# Allegro board 038RT-9068CJK8E-A100_0921.brd (continued)
## Routing (per net, layer and track width the routed paths; a pad name or vN(x,y) marks a point on that pad's centre or on a via; arc(x,y) is an arc through that point) (continued)
S3_DCH_P6_HSI+: length 187.1
  L13_SIGNAL w0.14: v1(473.9,258.45) 474.04,258.31 475.53,258.31 476.38,257.46 476.38,253.37 478.64,251.11 478.64,244.08 476.48,241.92 426.83,241.92 422.15,237.24 386.99,237.24 382.51,232.76 364.19,232.76 360.32,228.89 360.32,216.94 358.69,215.31 344.56,215.31 341.15,211.9 341.15,207.46 341.34,207.27 341.56,207.27
  L13_SIGNAL w0.15: 341.56,207.27 341.7,207.41 v1(341.7,208.05)
  BOTTOM w0.115: v1(341.7,208.05) MUX6.5
  BOTTOM w0.14: UNK3K214.24 469.72,256.06 470.65,256.06 472.9,258.31 473.77,258.31 v1(473.9,258.45)
S3_DCH_P6_HSI-: length 187.1
  L13_SIGNAL w0.14: 341.56,206.88 341.18,206.88 340.76,207.3 340.76,212.06 344.4,215.7 358.53,215.7 359.93,217.1 359.93,229.05 364.03,233.15 382.35,233.15 386.83,237.63 421.99,237.63 426.67,242.31 476.32,242.31 478.25,244.24 478.25,250.95 475.99,253.21 475.99,257.29 475.37,257.92 474.04,257.92 v1(473.9,257.79)
  L13_SIGNAL w0.15: v1(341.7,206.1) 341.7,206.74 341.56,206.88
  BOTTOM w0.115: v1(341.7,206.1) MUX6.8
  BOTTOM w0.14: v1(473.9,257.79) 473.77,257.92 473.06,257.92 470.81,255.67 469.72,255.67 UNK3K214.25
S3_DCH_P6_HSO+: length 252.5
  L40_SIGNAL w0.14: 560.44,273.64 561.21,273.64 561.43,273.42 561.43,272.51 561.27,272.35 561.19,272.35 561.02,272.18 561.02,271.95 561.19,271.79 561.27,271.79 561.43,271.62 561.43,271.39 561.27,271.23 561.19,271.23 561.02,271.06 561.02,270.83 561.19,270.67 561.27,270.67 561.43,270.5 561.43,270.27 561.27,270.11 561.19,270.11 561.02,269.94 561.02,269.71 561.19,269.55 561.27,269.55 561.43,269.38 561.43,265.43 559.24,263.24 546.61,263.24 531.78,248.4 482.52,248.4 471.38,237.26 348.12,237.26 343.81,241.56 341.84,241.56
  L40_SIGNAL w0.15: 341.84,241.56 341.7,241.7 v1(341.7,242.34) ; v1(560.31,273.5) 560.44,273.64
  BOTTOM w0.115: v1(341.7,242.34) MUX7.5
  BOTTOM w0.14: UNK3K217.25 555.62,270.37 556.89,270.37 557.85,271.34 557.85,272.66 558.83,273.64 560.17,273.64 v1(560.31,273.5)
S3_DCH_P6_HSO-: length 252.5
  L40_SIGNAL w0.14: 560.44,274.03 561.37,274.03 561.82,273.58 561.82,265.26 559.4,262.85 546.77,262.85 531.94,248.01 482.69,248.01 471.54,236.87 347.96,236.87 343.65,241.17 341.84,241.17
  L40_SIGNAL w0.15: v1(560.31,274.16) 560.44,274.03 ; 341.84,241.17 341.7,241.03 v1(341.7,240.39)
  BOTTOM w0.115: v1(341.7,240.39) MUX7.8
  BOTTOM w0.14: UNK3K217.24 555.62,270.76 556.73,270.76 557.46,271.5 557.46,272.82 558.67,274.03 560.17,274.03 v1(560.31,274.16)
S3_DCH_P6_ISOLATEB: length 238.2
  L09_SIGNAL w0.105: UNK3K220.4 426.57,410.22 408.89,392.55 408.89,334.72 389.14,314.96 363.74,314.96 347.23,298.45 347.23,277.3 344.69,274.76 344.69,233.9 v1(341.7,230.91)
  BOTTOM w0.115: v1(341.7,230.91) MUX13.5
S3_DCH_P6_LANWAKEB: length 301
  L09_SIGNAL w0.105: v1(341.7,265.2) 340.24,266.66 340.24,279.4 342.15,281.31 342.15,295.27 363.1,316.23 388.5,316.23 407.62,335.35 407.62,413.86 408.93,415.16 408.93,426.32 410.35,427.74 420.25,427.74 422.79,430.28 437.42,430.28 442.13,425.57 442.13,417.07 445.44,413.77 484.38,413.77 UNK3K212.4
  BOTTOM w0.115: v1(341.7,265.2) MUX12.5
S3_DCH_P6_PCIE_RESETB: length 254.1
  L09_SIGNAL w0.105: v1(341.7,219.48) 342.38,220.16 345.77,220.16 346.47,220.85 346.47,274.63 348.5,276.66 348.5,297.92 364.26,313.69 389.66,313.69 410.16,334.19 410.16,387.92 432.77,410.53 UNK3K221.4
  BOTTOM w0.115: v1(341.7,219.48) MUX14.5
S3_DCH_P6_REFCLK_100M+: length 181.9
  L13_SIGNAL w0.1: v1(329.94,208.05) 329.94,207.36 330.04,207.26 331.42,207.26 332.51,208.34 332.51,209.31 332.39,209.43 332.19,209.43 332.07,209.55 332.07,209.71 332.19,209.83 332.39,209.83 332.51,209.95 332.51,210.11 332.39,210.23 332.19,210.23 332.07,210.35 332.07,210.51 332.19,210.63 332.39,210.63 332.51,210.75 332.51,219.32 337.54,224.36 340.94,224.36 342.29,225.71 346.88,225.71 361.2,240.04 416.44,240.04 420.65,244.26 474.16,244.26 475.79,245.89 475.79,249.59 475.44,249.94 472.78,249.94 v1(472.63,249.79)
  BOTTOM w0.105: UNK3K214.34 469.69,251.13 470.84,251.13 472.09,249.88 472.53,249.88 v1(472.63,249.79)
  BOTTOM w0.115: v1(329.94,208.05) MUX5.5
S3_DCH_P6_REFCLK_100M-: length 181.9
  L13_SIGNAL w0.1: v1(329.94,206.1) 329.94,206.79 330.04,206.89 331.57,206.89 332.87,208.19 332.87,219.17 337.69,223.99 341.09,223.99 342.44,225.35 347.03,225.35 361.36,239.68 416.59,239.68 420.8,243.9 474.31,243.9 476.15,245.74 476.15,249.74 475.59,250.3 472.78,250.3 v1(472.63,250.45)
  BOTTOM w0.105: v1(472.63,250.45) 472.53,250.35 472.28,250.35 471.03,251.6 469.69,251.6 UNK3K214.33
  BOTTOM w0.115: v1(329.94,206.1) MUX5.8
S3_DCH_P7_CLKREQB: length 315.6
  L09_SIGNAL w0.102: 466.13,431.68 465.63,432.18 456.72,432.18 456.4,432.5 454.7,432.5
  L09_SIGNAL w0.105: 454.7,432.5 431.18,432.5 430.23,431.55 418.68,431.55 417.41,430.28 408.82,430.28 405.01,426.47 405.01,415.67 406.35,414.33 406.35,335.99 387.87,317.5 362.47,317.5 331.99,287.02 331.99,271.14 329.45,268.61 329.45,264.07 v1(330.27,263.25) ; 466.13,431.68 467.59,430.22 479.63,430.22 485.54,424.31 495.34,424.31 496.68,422.96 496.68,419.27 UNK3K211.5
  BOTTOM w0.115: v1(330.27,263.25) MUX11.8
S3_DCH_P7_HSI+: length 205.5
  L13_SIGNAL w0.14: 341.56,195.84 341.36,195.84 341.22,195.98 341.22,197.11 341.82,197.71 359.79,197.71 364.15,202.07 364.15,225.16 366.61,227.62 381.5,227.62 388.82,234.93 422.81,234.93 427.33,239.46 479.11,239.46 481.22,241.57 481.22,255.68 476.59,260.31 472.77,260.31 v1(472.63,260.45)
  L13_SIGNAL w0.15: 341.56,195.84 341.7,195.98 v1(341.7,196.62)
  BOTTOM w0.115: v1(341.7,196.62) MUX9.5
  BOTTOM w0.14: UNK3K214.22 469.72,257.06 470.51,257.06 470.99,257.55 470.99,259.39 471.91,260.31 472.5,260.31 v1(472.63,260.45)
S3_DCH_P7_HSI-: length 205.5
  L13_SIGNAL w0.14: 341.56,195.45 341.2,195.45 340.83,195.82 340.83,197.27 341.66,198.1 359.63,198.1 363.76,202.23 363.76,225.32 366.44,228.01 381.34,228.01 388.65,235.32 422.64,235.32 427.17,239.85 478.95,239.85 480.83,241.73 480.83,255.52 476.43,259.92 472.77,259.92 v1(472.63,259.79)
  L13_SIGNAL w0.15: v1(341.7,194.67) 341.7,195.31 341.56,195.45
  BOTTOM w0.115: v1(341.7,194.67) MUX9.8
  BOTTOM w0.14: v1(472.63,259.79) 472.5,259.92 472.08,259.92 471.38,259.23 471.38,257.39 470.67,256.67 469.72,256.67 UNK3K214.23
S3_DCH_P7_HSO+: length 252.9
  L40_SIGNAL w0.14: 341.84,252.99 362.64,252.99 375.77,239.86 431.21,239.86 434.54,243.2 472.65,243.2 483.77,254.31 523.25,254.31 547,278.07 560.24,278.07 560.84,277.47 560.84,276.36 560.12,275.64 558.67,275.64
  L40_SIGNAL w0.15: 558.67,275.64 v1(558.53,275.5) ; 341.84,252.99 341.7,253.13 v1(341.7,253.77)
  BOTTOM w0.115: v1(341.7,253.77) MUX10.5
  BOTTOM w0.14: UNK3K217.23 555.62,271.37 556.41,271.37 556.86,271.82 556.86,275 557.5,275.64 558.39,275.64 v1(558.53,275.5)
S3_DCH_P7_HSO-: length 252.9
  L40_SIGNAL w0.14: 558.67,276.03 559.96,276.03 560.45,276.52 560.45,277.31 560.08,277.68 547.16,277.68 523.41,253.92 483.93,253.92 472.81,242.81 434.71,242.81 431.37,239.47 375.61,239.47 362.48,252.6 345.97,252.6 345.8,252.44 345.8,252.25 345.64,252.08 345.41,252.08 345.24,252.25 345.24,252.44 345.08,252.6 344.85,252.6 344.68,252.44 344.68,252.25 344.52,252.08 344.29,252.08 344.12,252.25 344.12,252.44 343.96,252.6 341.84,252.6
  L40_SIGNAL w0.15: 341.84,252.6 341.7,252.46 v1(341.7,251.82) ; 558.67,276.03 v1(558.53,276.16)
  BOTTOM w0.115: v1(341.7,251.82) MUX10.8
  BOTTOM w0.14: v1(558.53,276.16) 558.39,276.03 557.34,276.03 556.47,275.16 556.47,271.98 556.25,271.76 555.62,271.76 UNK3K217.22
S3_DCH_P7_ISOLATEB: length 242.3
  L09_SIGNAL w0.105: v1(341.7,228.96) 342.61,229.87 344.05,229.87 344.69,230.5 344.69,232.41 345.71,233.43 345.71,262.78 345.73,262.8 345.73,263.15 345.71,263.17 345.71,265.98 345.73,266 345.73,266.35 345.71,266.37 345.71,269.91 345.91,270.12 345.91,275.08 347.86,277.04 347.86,298.19 364,314.32 389.4,314.32 409.53,334.45 409.53,391.25 429.77,411.49 UNK3K220.5
  BOTTOM w0.115: v1(341.7,228.96) MUX13.8
S3_DCH_P7_LANWAKEB: length 306.4
  L09_SIGNAL w0.105: UNK3K212.5 486.94,413.13 445.18,413.13 441.49,416.82 441.49,425.3 437.16,429.64 424.06,429.64 421.52,427.1 411.41,427.1 409.59,425.29 409.59,414.71 408.26,413.38 408.26,335.09 388.77,315.6 363.37,315.6 342.78,295.01 342.78,281.04 340.88,279.14 340.88,267.97 343.42,265.43 343.42,264.26 343.31,264.16 342.61,264.16 v1(341.7,263.25)
  BOTTOM w0.115: v1(341.7,263.25) MUX12.8
S3_DCH_P7_PCIE_RESETB: length 257
  L09_SIGNAL w0.105: UNK3K221.5 435.97,411.14 410.8,385.96 410.8,333.93 389.93,313.06 364.53,313.06 349.13,297.66 349.13,276.51 348.97,276.34 348.97,262.19 347.56,260.78 347.56,220.67 345.96,219.07 343.24,219.07 v1(341.7,217.53)
  BOTTOM w0.115: v1(341.7,217.53) MUX14.8
S3_DCH_P7_REFCLK_100M+: length 166.4
  L11_SIGNAL w0.1: v1(473.9,251.79) 474.05,251.94 474.86,251.94 475.5,251.3 475.5,246.02 473.63,244.15 470.04,244.15 469.93,244.27 469.93,244.47 469.81,244.59 469.64,244.59 469.53,244.47 469.53,244.27 469.41,244.15 469.24,244.15 469.13,244.27 469.13,244.47 469.01,244.59 468.84,244.59 468.73,244.47 468.73,244.27 468.61,244.15 441.41,244.15 440.44,245.13 414.69,245.13 412.58,247.24 396.44,247.24 393.81,244.6 349.54,244.6 343.11,251.03 334.65,251.03 332.71,252.98 330.37,252.98 330.27,253.08 v1(330.27,253.77)
  BOTTOM w0.105: v1(473.9,251.79) 473.8,251.88 472.17,251.88 471.92,252.13 469.69,252.13 UNK3K214.32
  BOTTOM w0.115: v1(330.27,253.77) MUX8.5
S3_DCH_P7_REFCLK_100M-: length 166.4
  L11_SIGNAL w0.1: v1(330.27,251.82) 330.27,252.51 330.37,252.61 332.56,252.61 334.5,250.66 342.96,250.66 349.39,244.24 393.96,244.24 396.6,246.87 412.43,246.87 414.54,244.77 440.29,244.77 441.26,243.79 473.78,243.79 475.86,245.87 475.86,251.45 475.01,252.3 474.05,252.3 v1(473.9,252.45)
  BOTTOM w0.105: UNK3K214.31 469.69,252.6 472.12,252.6 472.37,252.35 473.8,252.35 v1(473.9,252.45)
  BOTTOM w0.115: v1(330.27,251.82) MUX8.8
S3_DISB: length 56.2
  L07_SIGNAL w0.105: v1(398.1,262.22) 395.96,260.08 361.05,260.08 356.8,264.34 347.14,264.34 v1(345.31,266.17)
S3_DPS_AVDD09: length 0.8
  TOP w0.203: UNK3ST2.1 v2(503.83,438.48)
  vias: v2(502.28,454.28) v2(502.28,453.01) v2(502.28,451.74) v2(502.28,449.2) v2(502.28,447.93) v2(502.28,446.66) v2(503.5,442.95) v2(503.5,440.44) v2(503.55,454.28) v2(503.55,453.01) v2(503.55,451.74) v2(503.55,449.2) v2(503.55,447.93) v2(503.55,446.66) v2(505.84,444.37) v2(505.84,443.1) v2(505.84,441.83) v2(505.84,439.8) v2(505.84,438.53) v2(505.84,437.26)
S3_DPS_AVDD33:
  vias: v1(385.77,265.82) v1(385.77,265.19) v1(385.77,263.66) v1(386.4,265.82) v1(386.4,265.19) v1(386.4,263.66) v2(345.83,449.5) v2(345.83,443.15) v2(345.83,441.88) v2(345.83,434.26) v2(345.83,431.09) v2(345.83,424.74) v2(345.83,423.47) v2(347.1,449.5) v2(347.1,443.15) v2(347.1,441.88) v2(347.1,431.09) v2(347.1,424.74) v2(347.1,423.47) v2(348.37,449.5) v2(348.37,443.15) v2(348.37,441.88) v2(348.37,431.09) v2(348.37,424.74) v2(348.37,423.47) v2(351.55,449.5) v2(351.55,443.15) v2(351.55,441.88) v2(351.55,434.26) v2(351.55,431.09) v2(351.55,424.74) v2(351.55,423.47) v2(352.82,449.5) v2(352.82,443.15) v2(352.82,441.88) v2(352.82,431.09) v2(352.82,424.74) v2(352.82,423.47) v2(354.09,449.5) v2(354.09,443.15) v2(354.09,441.88) v2(354.09,431.09) v2(354.09,424.74) v2(354.09,423.47)
S3_DPS_DVDD09:
  vias: v2(512.44,453.31) v2(512.44,450.14) v2(512.44,443.79) v2(512.44,442.52) v2(512.44,434.26) v2(512.44,431.09) v2(512.44,424.74) v2(512.44,423.47) v2(513.71,450.14) v2(513.71,443.79) v2(513.71,442.52) v2(513.71,431.09) v2(513.71,424.74) v2(513.71,423.47) v2(514.98,450.14) v2(514.98,443.79) v2(514.98,442.52) v2(514.98,431.09) v2(514.98,424.74) v2(514.98,423.47) v2(518.16,453.31) v2(518.16,450.14) v2(518.16,443.79) v2(518.16,442.52) v2(518.16,434.26) v2(518.16,431.09) v2(518.16,424.74) v2(518.16,423.47) v2(519.43,450.14) v2(519.43,443.79) v2(519.43,442.52) v2(519.43,431.09) v2(519.43,424.74) v2(519.43,423.47) v2(520.7,450.14) v2(520.7,443.79) v2(520.7,442.52) v2(520.7,431.09) v2(520.7,424.74) v2(520.7,423.47)
S3_DPS_DVDD33:
  vias: v1(412.04,242.02) v1(412.04,241.38) v2(362.44,431.09) v2(362.44,421.18) v2(363.71,431.09) v2(363.71,421.18) v2(364.98,434.26) v2(364.98,431.09) v2(364.98,421.18)
S3_DPS_GPIO_P015VDDIO:
  vias: v2(367.42,449.5) v2(367.42,443.15) v2(367.42,441.88) v2(368.69,449.5) v2(368.69,443.15) v2(368.69,441.88) v2(369.96,449.5) v2(369.96,443.15) v2(369.96,441.88) v2(370.06,434.26) v2(373.77,449.5) v2(373.77,443.15) v2(373.77,441.88) v2(375.04,449.5) v2(375.04,443.15) v2(375.04,441.88) v2(376.31,449.5) v2(376.31,443.15) v2(376.31,441.88) v2(376.41,434.26)
S3_DPS_LDOIN:
  vias: v1(410.14,242.02) v1(410.14,241.38) v2(356.63,449.5) v2(356.63,443.15) v2(356.63,441.88) v2(357.9,449.5) v2(357.9,443.15) v2(357.9,441.88) v2(359.17,449.5) v2(359.17,443.15) v2(359.17,441.88) v2(359.27,434.26) v2(362.34,449.5) v2(362.34,443.15) v2(362.34,441.88) v2(363.61,449.5) v2(363.61,443.15) v2(363.61,441.88) v2(364.88,449.5) v2(364.88,443.15) v2(364.88,441.88)
S3_DVDD09: length 47.8
  TOP w0.508: v1(405.98,253.92) 405.98,251.94 405.61,251.57 S3_DVDD09.1
  L15_SIGNAL w0.102: v1(405.3,271.82) 405.47,271.65 406.23,271.65 406.5,271.38 406.5,258.7
  L15_SIGNAL w0.203: v2(408.82,243.22) 408.82,256.95 407.47,258.3 406.9,258.3 406.5,258.7
  BOTTOM w0.203: UNK3ST1.1 v2(408.82,243.22)
  vias: v1(399.7,267.82) v1(399.7,267.02) v1(403.7,268.62) v1(404.5,271.82) v1(404.5,269.42) v1(404.5,267.82) v1(404.5,267.02) v1(404.5,266.22) v1(404.5,265.42) v1(405.3,269.42) v1(405.3,264.62) v1(405.3,263.82) v1(405.98,254.75) v1(406.1,269.42) v1(406.1,264.62) v1(406.1,263.82) v1(406.62,254.75) v1(406.62,253.92) v1(406.9,271.82) v1(406.9,264.62) v1(406.9,263.82)
S3_DVDD09_VO09: length 6.7
  TOP w3.048: UNK3K4.5 500.76,423.21 UNK3RD11.1
S3_DVDD33: length 12.3
  TOP w0.508: v1(416.09,248.94) 415.59,248.44 415.59,246.33 413.23,243.97 S3_DVDD33.1
  vias: v1(407.7,264.62) v1(407.7,263.82) v1(408.5,263.82) v1(408.5,260.59) v1(410.9,263.82) v1(415.6,250.4) v1(416.09,249.57)
S3_F_AVDD09:
  vias: v1(401.88,244.05) v1(401.88,243.41)
S3_F_DVDD09:
  vias: v1(401.57,241.95) v1(401.57,241.32) v1(402.2,241.95) v1(402.2,241.32)
S3_F_GPIO_VDDIO:
  vias: v1(394.65,242.02) v1(394.65,241.38)
S3_F_P0_1_5_VDDIO:
  vias: v1(385.77,273.44) v1(386.4,273.44) v1(425.98,265.67) v1(425.98,263.64) v1(426.61,265.67) v1(426.61,263.64)
S3_FE_LED0: length 20.9
  L05_SIGNAL w0.102: v1(409.3,263.82) 409.7,263.42 412.92,263.42
  L05_SIGNAL w0.105: 412.92,263.42 415.14,263.42 417.47,261.08 428.52,261.08 v1(428.89,261.45)
S3_FE_LED1: length 24.6
  L05_SIGNAL w0.102: v1(409.3,263.02) 409.7,262.62 412.92,262.62
  L05_SIGNAL w0.105: v1(432.06,258.91) 430.84,260.13 416.54,260.13 413.92,262.74 413.04,262.74 412.92,262.62
S3_FE_MDI+: length 276.8
  L09_SIGNAL w0.1: UNK3K56.3 639.86,349.96 639.96,349.86 639.96,344.2 638.68,342.91 634.57,342.91 634.47,343.01 634.47,343.05 634.37,343.15 634.17,343.15 634.07,343.05 634.07,343.01 633.97,342.91 633.77,342.91 633.67,343.01 633.67,343.06 633.57,343.16 633.37,343.16 633.27,343.06 633.27,343.01 633.17,342.91 632.97,342.91 632.87,343.01 632.87,343.06 632.77,343.16 632.57,343.16 632.47,343.06 632.47,343.01 632.37,342.91 632.17,342.91 632.07,343.01 632.07,343.06 631.97,343.16 631.77,343.16 631.67,343.06 631.67,343.01 631.57,342.91 631.37,342.91 631.27,343.01 631.27,343.06 631.17,343.16 630.97,343.16 630.87,343.06 630.87,343.01 630.77,342.91 630.57,342.91 630.47,343.01 630.47,343.06 630.37,343.16 630.17,343.16 630.07,343.06 630.07,343.01 629.97,342.91 629.77,342.91 629.67,343.01 629.67,343.06 629.57,343.16 629.37,343.16 629.26,343.06 629.26,343.01 629.16,342.91 628.96,342.91 628.86,343.01 628.86,343.06 628.76,343.16 628.56,343.16 628.46,343.06 628.46,343.01 628.36,342.91 628.16,342.91 628.06,343.01 628.06,343.06 627.96,343.16 627.76,343.16 627.66,343.06 627.66,343.01 627.56,342.91 626.12,342.91 624.08,340.88 604.99,340.88 590.87,326.76 554.85,326.76 534.6,306.51 504.21,306.51 490.52,292.83 423.71,292.83 409.56,278.67 407.18,278.67 404.31,275.8 404.31,274.08 404.1,273.87 404.1,273.84
  L09_SIGNAL w0.102: 404.1,273.84 404.1,273.02 v1(403.7,272.62)
S3_FE_MDI-: length 276.8
  L09_SIGNAL w0.1: 404.9,273.84 404.9,273.86 404.68,274.08 404.68,275.65 407.33,278.31 409.71,278.31 423.86,292.46 490.67,292.46 504.36,306.14 534.75,306.14 555,326.4 591.02,326.4 605.14,340.51 624.23,340.51 626.27,342.55 638.83,342.55 640.32,344.05 640.32,349.86 640.42,349.96 UNK3K56.6
  L09_SIGNAL w0.102: v1(402.9,272.62) 403.3,272.22 404.66,272.22 404.9,272.45 404.9,273.84
S3_FE_MDIX+: length 278.1
  L09_SIGNAL w0.1: 401.53,273.02 401.34,273.21 401.34,273.21 401.3,273.25 401.07,273.49 401.07,289.01 406.61,294.56 487.28,294.56 501.84,309.12 532.49,309.12 553.63,330.26 589.49,330.26 605.18,345.95 632.19,345.95 632.92,346.67 632.92,349.86 632.82,349.96 UNK3K52.3
  L09_SIGNAL w0.102: v1(402.9,273.42) 402.5,273.02 401.53,273.02
S3_FE_MDIX-: length 278.1
  L09_SIGNAL w0.1: 401.68,273.38 401.56,273.51 401.43,273.64 401.43,288.86 406.76,294.2 487.43,294.2 501.99,308.76 532.65,308.76 553.78,329.89 589.64,329.89 605.33,345.58 624.63,345.58 624.73,345.48 624.73,345.47 624.83,345.37 625.03,345.37 625.13,345.47 625.13,345.48 625.23,345.58 625.43,345.58 625.53,345.48 625.53,345.47 625.63,345.37 625.83,345.37 625.93,345.47 625.93,345.48 626.03,345.58 626.23,345.58 626.33,345.48 626.33,345.47 626.43,345.37 626.63,345.37 626.73,345.47 626.73,345.48 626.83,345.58 627.03,345.58 627.13,345.48 627.13,345.47 627.23,345.37 627.43,345.37 627.53,345.47 627.53,345.48 627.63,345.58 627.83,345.58 627.93,345.48 627.93,345.47 628.03,345.37 628.23,345.37 628.33,345.47 628.33,345.48 628.43,345.58 628.63,345.58 628.73,345.48 628.73,345.47 628.83,345.37 629.03,345.37 629.13,345.47 629.13,345.48 629.23,345.58 629.43,345.58 629.53,345.48 629.53,345.47 629.63,345.37 629.83,345.37 629.93,345.47 629.93,345.48 630.03,345.58 630.23,345.58 630.34,345.48 630.34,345.47 630.44,345.37 630.64,345.37 630.74,345.47 630.74,345.48 630.84,345.58 632.34,345.58 633.28,346.52 633.28,349.86 633.38,349.96 UNK3K52.6
  L09_SIGNAL w0.102: v1(402.1,273.42) 402.06,273.38 401.68,273.38
S3_GPIO_VDDIO: length 37.6
  TOP w0.508: v1(396.59,250.97) 396.34,250.72 396.34,246.59 393.21,243.47 393.21,240.7 394.81,239.1 S3_GPIO_VDDIO.1
  L15_SIGNAL w0.102: 399.3,259.45 399.3,264.23 v1(399.7,264.62)
  L15_SIGNAL w0.203: v2(398.7,243.43) 398.7,257.86 399.44,258.6 399.44,259.31 399.3,259.45
  BOTTOM w0.203: UNK3ST6.1 v2(398.7,243.43)
  vias: v1(396.59,251.6) v1(399.7,263.02) v1(399.7,261.42) v1(402.1,264.62) v1(402.1,262.22) v1(402.1,261.42) v1(402.9,265.42) v1(404.5,264.62) v1(404.5,263.02)
S3_GPIOA_0: length 59.3
  L07_SIGNAL w0.105: v1(345.31,281.11) 346.19,280.23 356.33,280.23 364.68,271.89 381.67,271.89 385.31,268.24 388.33,268.24 390.06,266.51 396.17,266.51 396.67,266.02 397.5,266.02 v1(398.1,265.42)
S3_GPIOA_1: length 157.5
  L36_SIGNAL w0.105: v1(541.36,275.26) 538.43,278.19 447.21,278.19 446.5,277.48 428.29,277.48 426.84,276.03 407.5,276.03 405.97,274.5 398.05,274.5 396.56,273.01 396.56,265.68 397.62,264.62 v1(398.1,264.62)
S3_GPIOA_2: length 162.9
  L36_SIGNAL w0.105: v1(541.36,273.73) 541.92,274.29 541.92,275.49 538.63,278.78 519.58,278.78 519.36,278.99 446.4,278.99 445.52,278.12 427.8,278.12 426.51,276.83 407.17,276.83 405.64,275.3 397.72,275.3 395.76,273.34 395.76,265.35 397.29,263.82 v1(398.1,263.82)
S3_GPIOA_3: length 57.5
  L07_SIGNAL w0.105: v1(345.31,270.11) 347.62,267.79 361.29,267.79 368.19,260.9 395.97,260.9 v1(398.1,263.02)
S3_GPIOB_0: length 61.8
  L07_SIGNAL w0.102: v1(398.9,265.42) 398.5,265.82 398.5,266.52 398.4,266.62 397.68,266.62
  L07_SIGNAL w0.105: 397.68,266.62 396.85,266.62 395.88,267.59 391.72,267.59 387.72,271.59 385.45,271.59 382.41,274.63 363.27,274.63 356.9,281 348.59,281 v1(345.31,284.28)
S3_GPIOB_1: length 59.4
  L07_SIGNAL w0.102: 397.92,264.22 398.5,264.22 v1(398.9,264.62)
  L07_SIGNAL w0.105: v1(345.31,277.91) 346.55,276.67 356.59,276.67 365.57,267.69 381.98,267.69 385.19,264.48 397.66,264.48 397.92,264.22
S3_GPIOB_2: length 58.7
  L07_SIGNAL w0.102: 397.87,263.42 398.5,263.42 v1(398.9,263.82)
  L07_SIGNAL w0.105: 397.87,263.42 397.6,263.16 397.45,263.16 396.63,262.34 384.37,262.34 382.4,264.32 366.2,264.32 359.23,271.29 347.33,271.29 v1(345.31,273.31)
S3_GPIOC_0: length 65.2
  L07_SIGNAL w0.102: v1(400.5,265.42) 400.1,265.82 400.1,267.33 400.01,267.42 397.68,267.42
  L07_SIGNAL w0.105: v1(345.31,287.46) 348.33,284.43 355.17,284.43 364.18,275.42 382.99,275.42 385.54,272.87 387.25,272.87 391.62,268.5 395.93,268.5 397.01,267.42 397.68,267.42
S3_GPIOC_1: length 67.8
  L07_SIGNAL w0.102: 397.68,268.22 400.76,268.22 400.9,268.08 400.9,265.82 v1(401.3,265.42)
  L07_SIGNAL w0.105: 397.68,268.22 397.02,268.22 396.17,269.07 395.62,269.07 388.46,276.24 366.48,276.24 362.05,280.66 360.07,280.66 355.45,285.28 350.68,285.28 v1(345.31,290.66)
S3_H_SW_CTRL: length 2.7
  BOTTOM w0.115: UNK3R137.2 S3_SW_CTRL.1
S3_HOLD: length 27
  L03_SIGNAL w0.102: v1(410.1,263.82) 410.5,263.42 412.92,263.42
  L03_SIGNAL w0.145: 412.92,263.42 414.97,263.42 417.37,261.02 426.75,261.02 427.84,262.11 434.58,262.11 v1(435.24,261.45)
S3_INH: length 298.4
  L17_SIGNAL w1.016: 397.17,267.78 397.07,267.68 391.21,267.68 389.99,268.9 389.99,276.57 388.23,278.34 386.46,278.34 383.55,281.24 383.55,291.79 391.23,299.46 475.59,299.46 515.04,338.91 515.04,356.18 556.32,397.46 556.32,414.73 565.18,423.59 UNK3K6.5
  BOTTOM w1.016: UNK3R360.1 UNK3R275.1 UNK3K6.5
  vias: v1(400.5,267.02)
S3_INH_DIV2: length 4.3
  BOTTOM w1.016: UNK3K6.3 UNK3R361.1 UNK3R360.2
S3_INH_GND: length 9.4
  BOTTOM w1.016: UNK3K6.9 566.02,433.78 UNK3R361.2
S3_L_SW_CTRL: length 2.7
  BOTTOM w0.115: UNK3R138.2 S3_SW_CTRL.3
S3_LB_FE_MDI+: length 49.5
  L44_SIGNAL w0.1: v2(648.7,170.53) 648.9,170.33 651.02,170.33 651.43,169.92 654.41,169.92 656.95,167.38 658.63,167.38 659.26,166.75 659.26,157.09 658.42,156.25 655.69,156.25 655,156.93 655,166.53 654.71,166.83 651.39,166.83 651.26,166.71 651.26,165.64 651.58,165.33 653.74,165.33 v2(653.94,165.53)
  BOTTOM w0.105: UNK3U6.43 651.34,165.38 653.8,165.38 v2(653.94,165.53) ; v2(648.7,170.53) 648.85,170.38 651.3,170.38 UNK3U6.53
S3_LB_FE_MDI-: length 49.5
  L44_SIGNAL w0.1: v2(653.94,164.77) 653.74,164.97 651.43,164.97 650.9,165.49 650.9,166.86 651.24,167.2 654.86,167.2 655.37,166.69 655.37,157.08 655.84,156.61 658.27,156.61 658.9,157.24 658.9,166.6 658.48,167.02 656.8,167.02 654.26,169.55 651.28,169.55 650.87,169.97 648.9,169.97 v2(648.7,169.77)
  BOTTOM w0.105: v2(648.7,169.77) 648.85,169.92 651.3,169.92 UNK3U6.52 ; v2(653.94,164.77) 653.8,164.92 651.34,164.92 UNK3U6.42
S3_LB_FE_MDIX+: length 32.5
  L44_SIGNAL w0.1: v2(653.94,173.53) 654.14,173.33 654.83,173.33 655.15,173.01 655.15,171.5 654.83,171.19 652.66,171.19 650.41,173.45 649.02,173.45 647.31,171.74 647.31,164.98 649.96,162.33 653.74,162.33 v2(653.94,162.53)
  BOTTOM w0.105: v2(653.94,173.53) 653.8,173.38 651.34,173.38 UNK3U6.59 ; v2(653.94,162.53) 653.8,162.38 651.34,162.38 UNK3U6.37
S3_LB_FE_MDIX-: length 32.5
  L44_SIGNAL w0.1: v2(653.94,161.77) 653.74,161.97 649.81,161.97 646.94,164.83 646.94,171.89 648.86,173.81 650.56,173.81 652.81,171.55 654.68,171.55 654.78,171.65 654.78,172.86 654.68,172.97 654.14,172.97 v2(653.94,172.77)
  BOTTOM w0.105: v2(653.94,172.77) 653.8,172.92 651.34,172.92 UNK3U6.58 ; UNK3U6.36 651.34,161.92 653.8,161.92 v2(653.94,161.77)
S3_LB_P2_GIGA_MDI+: length 14.8
  L46_SIGNAL w0.136: v3(652.17,279.87) 652.07,279.76 652.07,278.78 651.58,278.29 650.67,278.29 650.33,277.95 650.33,277.03 v3(650.44,276.93)
  BOTTOM w0.105: v3(650.44,276.93) 650.34,276.83 650.34,275.95 649.68,275.3 648.93,275.3 UNK3K144.23 ; v3(652.17,279.87) 652.07,279.77 652.07,276.01 650.36,274.3 648.93,274.3 UNK3K144.25
S3_LB_P2_GIGA_MDI-: length 14.8
  L46_SIGNAL w0.136: v3(649.78,276.93) 649.88,277.03 649.88,278.14 650.48,278.74 651.39,278.74 651.61,278.97 651.61,279.76 v3(651.51,279.87)
  BOTTOM w0.105: UNK3K144.24 648.93,274.76 650.17,274.76 651.61,276.2 651.61,277.93 651.42,278.12 650.81,278.12 650.62,278.3 650.62,278.56 650.81,278.75 651.42,278.75 651.61,278.93 651.61,279.77 v3(651.51,279.87) ; UNK3K144.22 648.93,275.76 649.49,275.76 649.88,276.15 649.88,276.83 v3(649.78,276.93)
S3_LB_P3_GIGA_MDI+: length 15
  L46_SIGNAL w0.136: v3(655.18,268.42) 655.08,268.53 654.47,268.53 653.98,269.01 653.98,270.43 653.61,270.8 652.85,270.8 v3(652.74,270.7)
  BOTTOM w0.105: v3(655.18,268.42) 655.09,268.52 652.52,268.52 651.24,269.8 648.93,269.8 UNK3K144.34 ; v3(652.74,270.7) 652.65,270.8 648.93,270.8 UNK3K144.32
S3_LB_P3_GIGA_MDI-: length 15
  L46_SIGNAL w0.136: v3(655.18,269.08) 655.08,268.98 654.66,268.98 654.44,269.2 654.44,270.62 653.8,271.26 652.85,271.26 v3(652.74,271.36)
  BOTTOM w0.105: UNK3K144.33 648.93,270.26 651.44,270.26 652.71,268.98 655.09,268.98 v3(655.18,269.08) ; UNK3K144.31 648.93,271.26 652.65,271.26 v3(652.74,271.36)
S3_LDOIN: length 32.4
  TOP w0.508: S3_LDOIN.1 410.69,240.49 411.07,240.87 411.07,250.02 v1(412.05,251)
  L15_SIGNAL w0.102: v1(407.7,267.82) 408.1,267.42 408.1,258.6
  L15_SIGNAL w0.105: 408.12,258.58 408.1,258.6 408.1,258.6
  L15_SIGNAL w0.203: v2(412.79,253.2) 410.93,253.2 410.02,254.11 410.02,256.67 408.12,258.58
  BOTTOM w0.203: UNK3ST3.1 v2(412.79,253.2)
  vias: v1(402.9,267.02) v1(402.9,266.22) v1(406.9,267.82) v1(406.9,267.02) v1(407.7,267.02) v1(412.05,251.64)
S3_MCT1: length 5
  TOP w0.115: UNK3T12.2 v2(633.45,329.96) ; UNK3R134.1 v2(636.62,329.96)
  L03_SIGNAL w0.145: v2(633.45,329.96) v2(636.62,329.96)
S3_MCT2: length 11.8
  TOP w0.115: UNK3T12.7 v2(639.8,329.96) ; UNK3R133.1 v2(630.59,329.96)
  L03_SIGNAL w0.145: v2(639.8,329.96) 638.92,330.83 631.46,330.83 v2(630.59,329.96)